# KiCad board sample013-sdi-mipi-video-converter.kicad_pcb
date: 2023-07-25; rev: 1.1.4
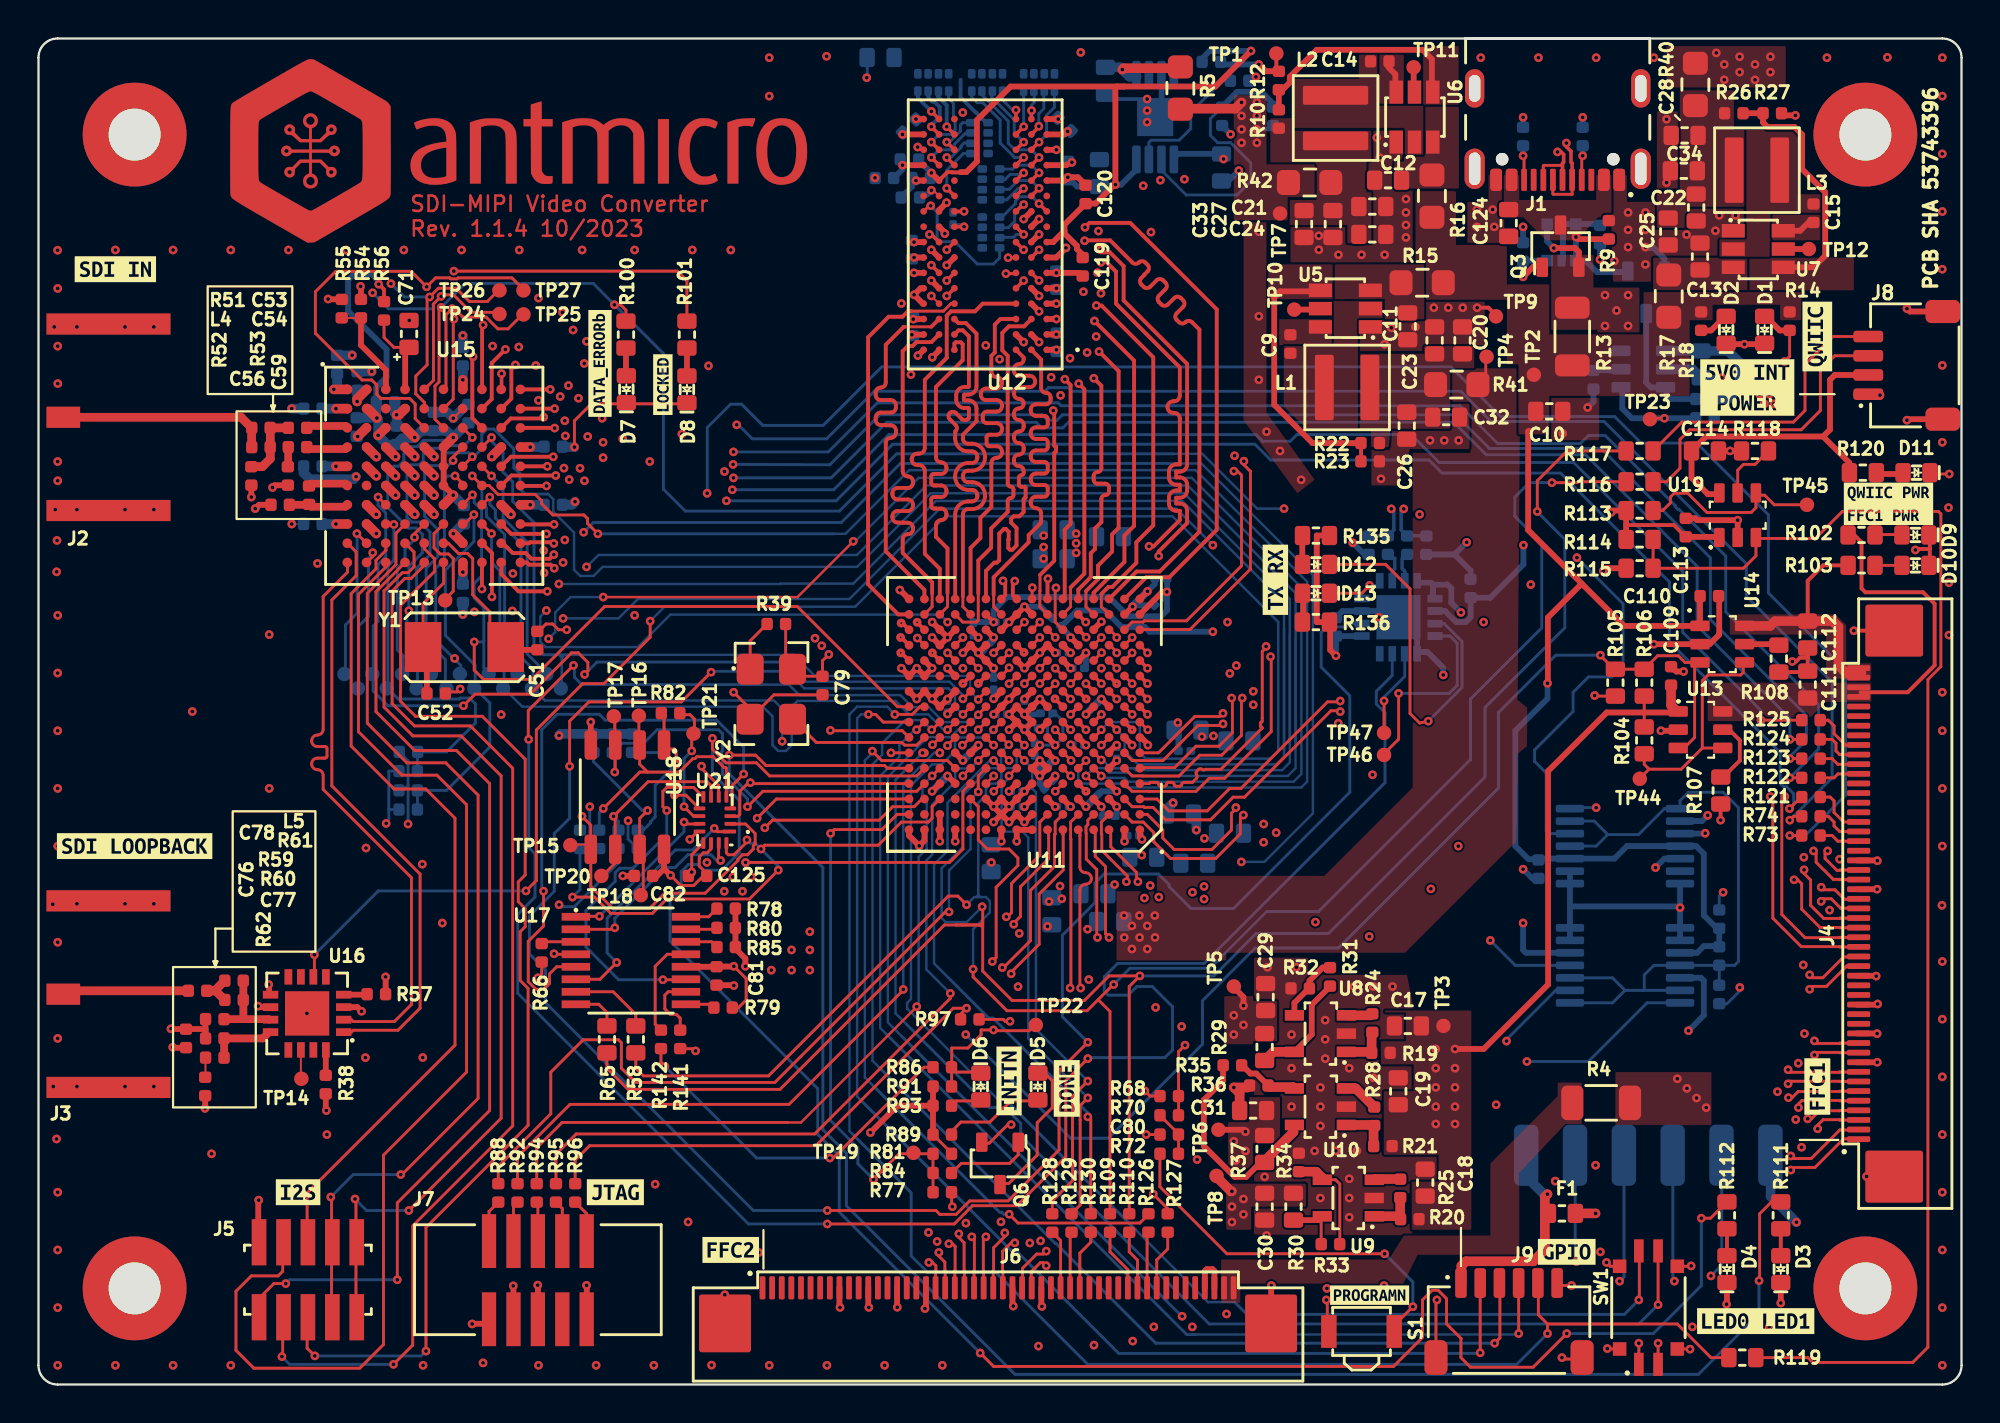
[diagram p0: board, top side]
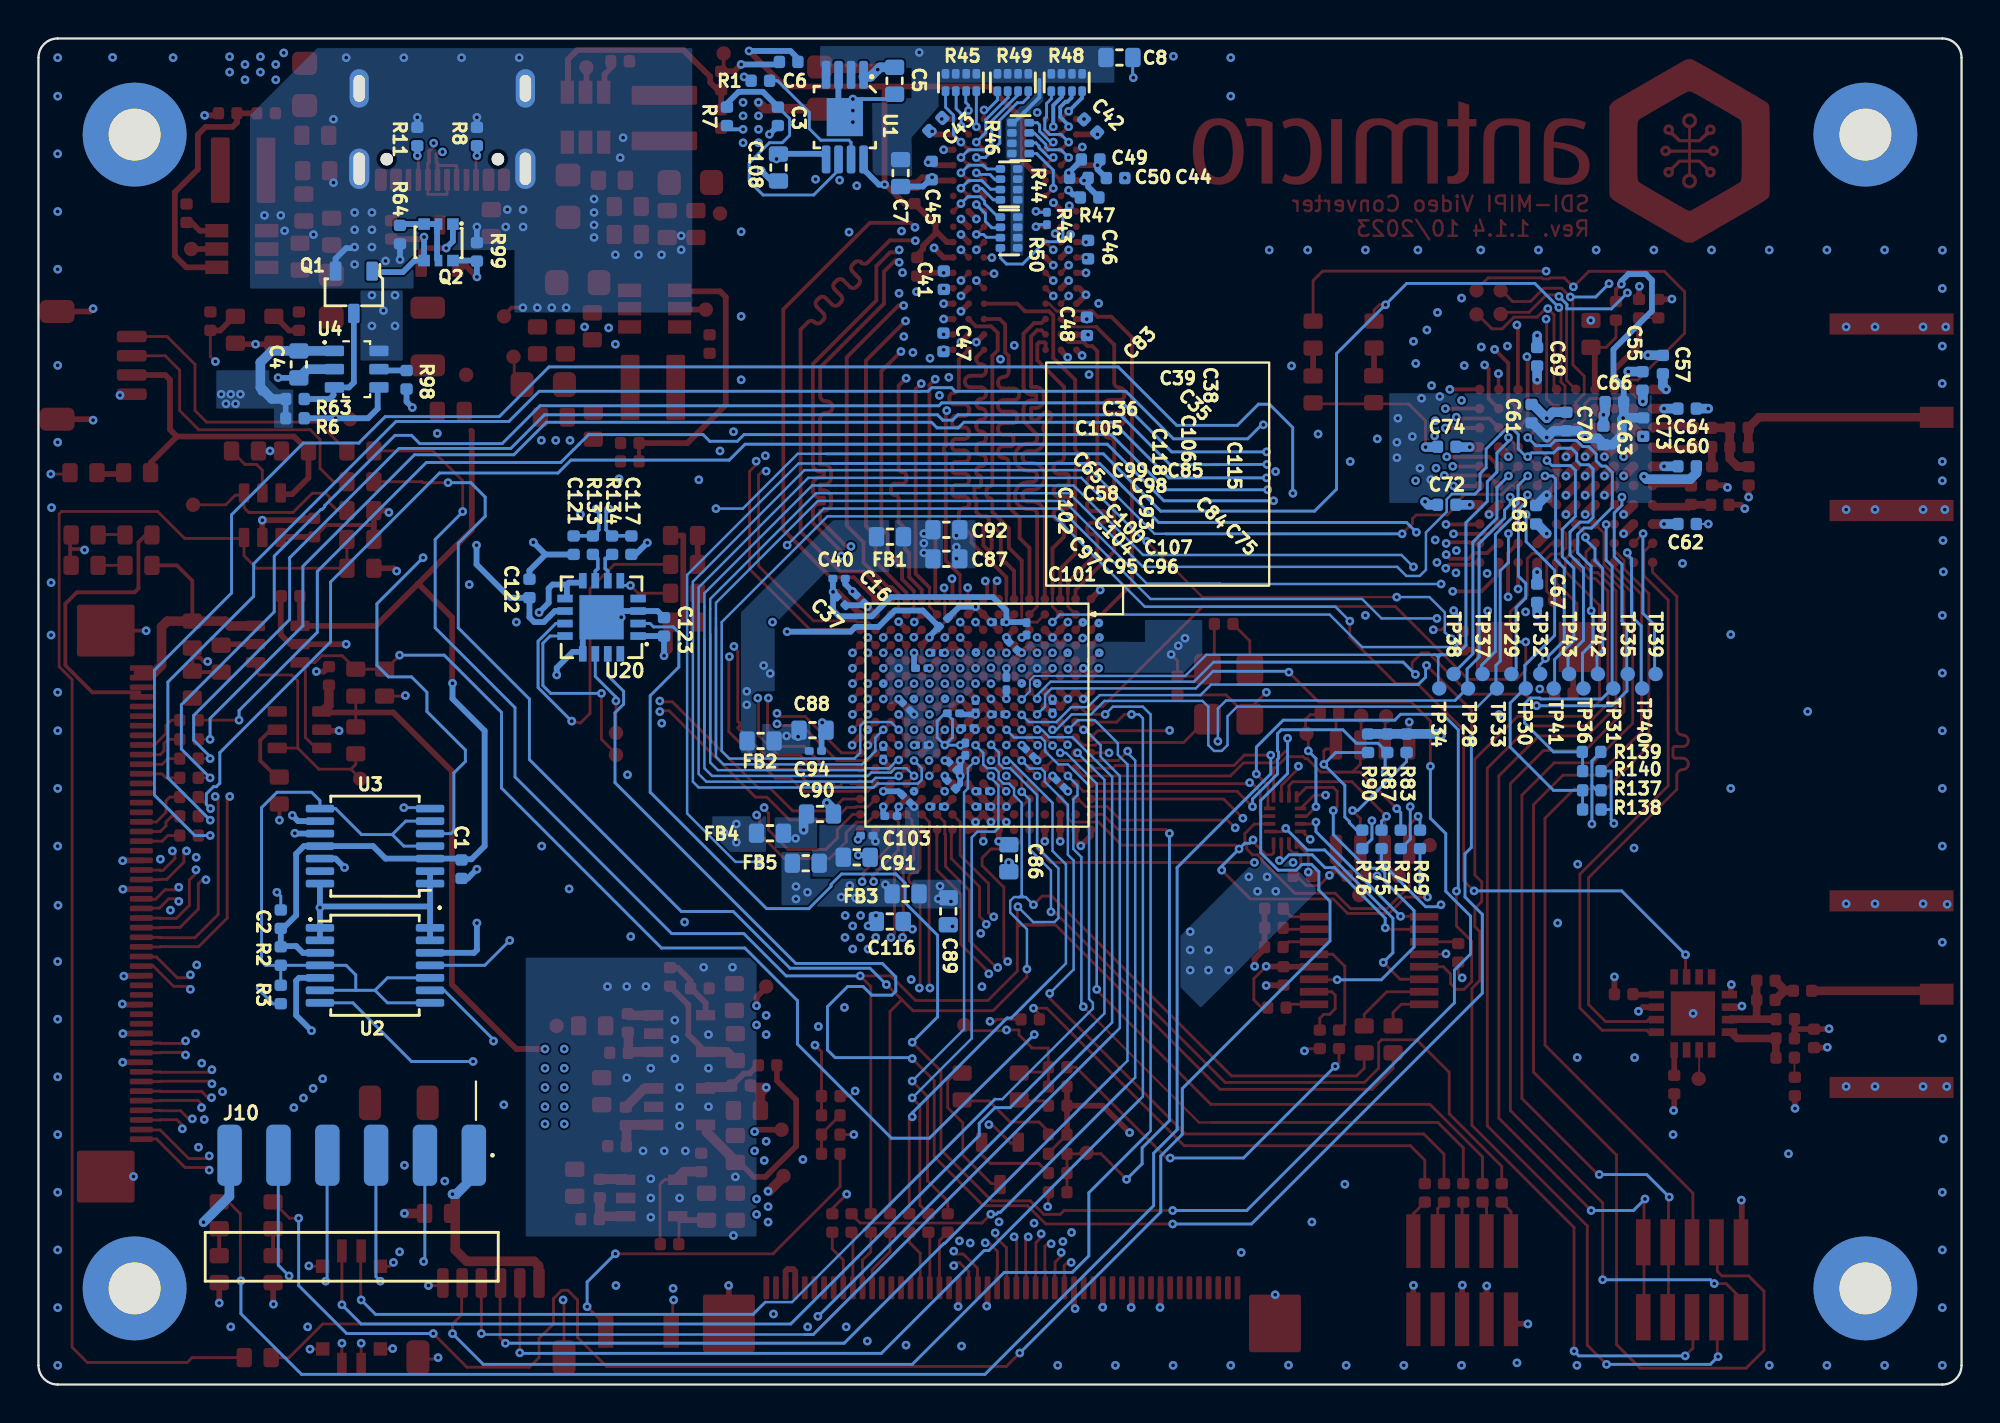
[diagram p1: board, bottom side, seen from below]

Outline 100 x 70 mm; copper layers: Top, In1.Cu, In2.Cu, In3.Cu, In4.Cu, In5.Cu, In6.Cu, Bottom. Coordinates in mm from the lower left corner of the outline.
Outline path: 0,69 0,1 arc(0.29,0.29) 1,0 99,0 arc(99.71,0.29) 100,1 100,69 arc(99.71,69.71) 99,70 1,70 arc(0.29,69.71) 0,69
Stack: Top 0.035mm / dielectric 0.12mm FR4 er 4.5 / In1.Cu 0.018mm / dielectric 0.2mm FR4 er 4.5 / In2.Cu 0.018mm / dielectric 0.24mm FR4 er 4.5 / In3.Cu 0.018mm / dielectric 0.2mm FR4 er 4.5 / In4.Cu 0.018mm / dielectric 0.24mm FR4 er 4.5 / In5.Cu 0.035mm / dielectric 0.2mm FR4 er 4.5 / In6.Cu 0.035mm / dielectric 0.12mm FR4 er 4.5 / Bottom 0.035mm

## Placement (name value [footprint] x y rotation side)
C1  C_100n_0402  [C_0402_1005Metric]  78 26.8 90 bottom
C2  C_100n_0402  [C_0402_1005Metric]  87.4 24.2 270 bottom
C3  C_100n_0402  [C_0402_1005Metric]  61.55 65.95 270 bottom
C4  C_1u_0603  [C_0603_1608Metric]  86.46 53.05 90 bottom
C5  C_22u_0603  [C_0603_1608Metric]  55.48 67.8 90 bottom
C6  C_100n_0402  [C_0402_1005Metric]  60.99 68.78 180 bottom
C7  C_22u_0603  [C_0603_1608Metric]  55.17 63 90 bottom
C8  C_22u_0603  [C_0603_1608Metric]  43.79 69.01 0 bottom
C9  C_100n_0402  [C_0402_1005Metric]  65.1 54.11 90 top
C10  C_10u_0603  [C_0603_1608Metric]  78.56 50.61 0 top
C11  C_10u_0603  [C_0603_1608Metric]  71.2 55.03 90 top
C12  C_10u_0603  [C_0603_1608Metric]  70.18 62.63 180 top
C13  C_10u_0603  [C_0603_1608Metric]  86.4 58.66 90 top
C14  C_100n_0402  [C_0402_1005Metric]  69.75 68.81 0 top
C15  C_100n_0402  [C_0402_1005Metric]  92.3 60.91 270 top
C16  C_100n_0201  [C_0201]  57.27 40.85 225 bottom
C17  C_1u_0603  [C_0603_1608Metric]  71.21 18.65 180 top
C18  C_1u_0603  [C_0603_1608Metric]  72.11 10.5 270 top
C19  C_1u_0603  [C_0603_1608Metric]  70.71 15.25 270 top
C20  C_22u_0603  [C_0603_1608Metric]  74.05 54.3 270 top
C21  C_22u_0603  [C_0603_1608Metric]  69.36 61.26 180 top
C22  C_22u_0603  [C_0603_1608Metric]  86.2 61.21 90 top
C23  C_22u_0603  [C_0603_1608Metric]  72.6 54.3 270 top
C24  C_22u_0603  [C_0603_1608Metric]  69.36 59.81 0 top
C25  C_22u_0603  [C_0603_1608Metric]  84.75 59.96 90 top
C26  C_22u_0603  [C_0603_1608Metric]  71.15 49.86 90 top
C27  C_22u_0603  [C_0603_1608Metric]  67.31 60.35 90 top
C28  C_22u_0603  [C_0603_1608Metric]  85.6 64.96 0 top
C29  C_1u_0603  [C_0603_1608Metric]  63.81 20.15 270 top
C30  C_1u_0603  [C_0603_1608Metric]  63.76 9.25 90 top
C31  C_10u_0603  [C_0603_1608Metric]  63.16 14.25 0 top
C32  C_22u_0603  [C_0603_1608Metric]  73.2 50.31 180 top
C33  C_22u_0603  [C_0603_1608Metric]  65.81 60.35 90 top
C34  C_22u_0603  [C_0603_1608Metric]  85.56 63.12 0 top
C35  C_100n_0201  [C_0201]  49.32 38.4 45 bottom
C36  C_100n_0201  [C_0201]  53.27 38.05 180 bottom
C37  C_100n_0201  [C_0201]  58.27 40.75 225 bottom
C38  C_100n_0201  [C_0201]  48.62 39.3 270 bottom
C39  C_100n_0201  [C_0201]  50.07 39.65 180 bottom
C40  C_100n_0201  [C_0201]  58.37 41.91 0 bottom
C41  C_100n_0402  [C_0402_1005Metric]  52.92 57.43 90 bottom
C42  C_100n_0402  [C_0402_1005Metric]  45.29 65.45 225 bottom
C43  C_100n_0402  [C_0402_1005Metric]  53.34 65.53 315 bottom
C44  C_100n_0402  [C_0402_1005Metric]  43.99 62.74 0 bottom
C45  C_100n_0402  [C_0402_1005Metric]  53.55 63.13 90 bottom
C46  C_100n_0402  [C_0402_1005Metric]  45.42 59.02 90 bottom
C47  C_100n_0402  [C_0402_1005Metric]  52.94 54.2 270 bottom
C48  C_100n_0402  [C_0402_1005Metric]  45.48 55.03 90 bottom
C49  C_100n_0402  [C_0402_1005Metric]  45.29 63.71 180 bottom
C50  C_100n_0402  [C_0402_1005Metric]  45.9 62.75 0 bottom
C51  C_33p_0402  [C_0402_1005Metric]  25.94 38.69 90 top
C52  C_33p_0402  [C_0402_1005Metric]  20.68 35.94 180 top
C53  C_1u_0402  [C_0402_1005Metric]  13.47 49.75 180 top
C54  C_1u_0402  [C_0402_1005Metric]  13.47 48.75 180 top
C55  C_47n_0402  [C_0402_1005Metric]  16.59 52.19 90 bottom
C56  C_470n_0402  [C_0402_1005Metric]  12.57 45.75 180 top
C57  C_1u_0402  [C_0402_1005Metric]  15.53 53.04 90 bottom
C58  C_100n_0201  [C_0201]  54.07 33.25 180 bottom
C59  C_470n_0402  [C_0402_1005Metric]  14.07 46.25 90 top
C60  C_100n_0402  [C_0402_1005Metric]  14.27 47.75 0 bottom
C61  C_100n_0402  [C_0402_1005Metric]  22.36 50.49 270 bottom
C62  C_100n_0402  [C_0402_1005Metric]  14.27 44.75 0 bottom
C63  C_100n_0402  [C_0402_1005Metric]  18.62 49.36 270 bottom
C64  C_100n_0402  [C_0402_1005Metric]  14.27 50.75 0 bottom
C65  C_100n_0201  [C_0201]  54.87 35.25 225 bottom
C66  C_100n_0402  [C_0402_1005Metric]  18.05 51.09 180 bottom
C67  C_100n_0402  [C_0402_1005Metric]  22.07 41.15 90 bottom
C68  C_100n_0402  [C_0402_1005Metric]  22.12 45.23 90 bottom
C69  C_100n_0402  [C_0402_1005Metric]  22.07 53.45 270 bottom
C70  C_100n_0402  [C_0402_1005Metric]  20.55 50.08 270 bottom
C71  C_33u_0603  [C_Pol_0603_1608Metric]  19.27 54.64 90 top
C72  C_100n_0402  [C_0402_1005Metric]  26.77 45.75 180 bottom
C73  C_100n_0402  [C_0402_1005Metric]  16.55 49.79 90 bottom
C74  C_100n_0402  [C_0402_1005Metric]  26.77 48.77 180 bottom
C75  C_100n_0201  [C_0201]  46.87 31.25 45 bottom
C76  C_10n_0402  [C_0402_1005Metric]  7.67 18 270 top
C77  C_4u7_0402  [C_0402_1005Metric]  9.17 17 180 top
C78  C_4u7_0402  [C_0402_1005Metric]  8.27 20.48 180 top
C79  C_100n_0402  [C_0402_1005Metric]  40.77 36.35 90 top
C80  C_100n_0402  [C_0402_1005Metric]  58.8 13 0 top
C81  C_100n_0402  [C_0402_1005Metric]  35.26 21.25 90 top
C82  C_100n_0402  [C_0402_1005Metric]  31.46 26.45 0 top
C83  C_100n_0201  [C_0201]  52.94 39.63 315 bottom
C84  C_100n_0201  [C_0201]  48.47 32.85 225 bottom
C85  C_100n_0201  [C_0201]  50.07 34.85 180 bottom
C86  C_10u_0603  [C_0603_1608Metric]  49.54 27.37 270 bottom
C87  C_10u_0603  [C_0603_1608Metric]  52.79 42.94 0 bottom
C88  C_10u_0603  [C_0603_1608Metric]  59.75 34.03 0 bottom
C89  C_10u_0603  [C_0603_1608Metric]  52.69 24.61 90 bottom
C90  C_10u_0603  [C_0603_1608Metric]  59.36 29.67 0 bottom
C91  C_10u_0603  [C_0603_1608Metric]  57.45 27.42 0 bottom
C92  C_10u_0603  [C_0603_1608Metric]  52.79 44.45 0 bottom
C93  C_100n_0201  [C_0201]  51.8 33.04 90 bottom
C94  C_100n_0201  [C_0201]  59.6 32.95 0 bottom
C95  C_100n_0201  [C_0201]  53.27 30.05 180 bottom
C96  C_100n_0201  [C_0201]  50.87 30.05 0 bottom
C97  C_100n_0201  [C_0201]  54.87 30.45 225 bottom
C98  C_100n_0201  [C_0201]  51.67 34.14 0 bottom
C99  C_100n_0201  [C_0201]  52.42 34.91 0 bottom
C100  C_100n_0201  [C_0201]  52.45 32.16 45 bottom
C101  C_100n_0201  [C_0201]  55.67 29.56 180 bottom
C102  C_100n_0201  [C_0201]  56.07 32.85 270 bottom
C103  C_100n_0201  [C_0201]  56.93 28.54 180 bottom
C104  C_100n_0201  [C_0201]  52.54 31.21 45 bottom
C105  C_100n_0201  [C_0201]  54.07 37.25 180 bottom
C106  C_100n_0201  [C_0201]  49.67 36.45 270 bottom
C107  C_100n_0201  [C_0201]  50.87 30.85 180 bottom
C108  C_10u_0603  [C_0603_1608Metric]  61.52 63.29 90 bottom
C109  C_100n_0402  [C_0402_1005Metric]  84.9 36.85 270 top
C110  C_100n_0402  [C_0402_1005Metric]  86.88 41 180 top
C111  C_1u_0603  [C_0603_1608Metric]  92 36.4 270 top
C112  C_1u_0603  [C_0603_1608Metric]  92 39 90 top
C113  C_100n_0402  [C_0402_1005Metric]  85.66 44.57 270 top
C114  C_1u_0603  [C_0603_1608Metric]  86.66 48.55 180 top
C115  C_100n_0201  [C_0201]  47.27 35.25 270 bottom
C116  C_10u_0603  [C_0603_1608Metric]  55.73 24.08 0 bottom
C117  C_47p_0402  [C_0402_1005Metric]  69.17 43.65 90 bottom
C118  C_100n_0201  [C_0201]  51.27 35.25 90 bottom
C119  C_100n_0402  [C_0402_1005Metric]  54.3 58.12 270 top
C120  C_100n_0402  [C_0402_1005Metric]  54.45 61.89 270 top
C121  C_47p_0402  [C_0402_1005Metric]  72.17 43.65 90 bottom
C122  C_100n_0402  [C_0402_1005Metric]  74.47 41.4 270 bottom
C123  C_100n_0402  [C_0402_1005Metric]  67.47 39.4 270 bottom
C124  C_1u_0603  [C_0603_1608Metric]  76.45 60.4 90 top
C125  C_100n_0402  [C_0402_1005Metric]  34.27 26.45 180 top
D1  LED_G_0603_LTST-C190GKT  [LED_0603_1608Metric_G]  89.76 54.85 90 top
D2  LED_G_0603_LTST-C190GKT  [LED_0603_1608Metric_G]  87.76 54.85 90 top
D3  LED_G_0603_LTST-C190GKT  [LED_0603_1608Metric_G]  90.6 6 90 top
D4  LED_G_0603_LTST-C190GKT  [LED_0603_1608Metric_G]  87.8 6 90 top
D5  LED_G_0603_LTST-C190GKT  [LED_0603_1608Metric_G]  51.97 15.5 270 top
D6  LED_R_0603_LTST-C190KRKT  [LED_0603_1608Metric_R]  49 15.5 270 top
D7  LED_G_0603_LTST-C190GKT  [LED_0603_1608Metric_G]  30.57 51.76 90 top
D8  LED_G_0603_LTST-C190GKT  [LED_0603_1608Metric_G]  33.72 51.75 90 top
D9  LED_G_0603_LTST-C190GKT  [LED_0603_1608Metric_G]  97.6 44.18 180 top
D10  LED_G_0603_LTST-C190GKT  [LED_0603_1608Metric_G]  97.6 42.6 180 top
D11  LED_G_0603_LTST-C190GKT  [LED_0603_1608Metric_G]  97.66 47.42 180 top
D12  LED_G_0603_LTST-C190GKT  [LED_0603_1608Metric_G]  66.43 42.65 180 top
D13  LED_G_0603_LTST-C190GKT  [LED_0603_1608Metric_G]  66.43 41.15 180 top
F1  F_1.25A_0603  [F_0603_1608Metric]  79.22 8.9 180 top
FB1  FB_120Z_2A_0603  [FB_0603_1608Metric]  55.72 44.09 0 bottom
FB2  FB_120Z_2A_0603  [FB_0603_1608Metric]  62.45 33.47 0 bottom
FB3  FB_120Z_2A_0603  [FB_0603_1608Metric]  54.91 25.52 0 bottom
FB4  FB_120Z_2A_0603  [FB_0603_1608Metric]  61.96 28.67 0 bottom
FB5  FB_120Z_2A_0603  [FB_0603_1608Metric]  60.1 27.11 0 bottom
G***  LOGO  [antmicro-logo_scaled_30mm]  25.87 64.01 0 top
J1  USB-C_USB4105-GF-A  [USB-C_Receptacle_GCT_USB4105-GF-A]  79 66.15 180 top
J2  -  [Conn_BNC_031-70526-21]  -6.58 50.3 270 top
J3  -  [Conn_BNC_031-70526-21]  -6.58 20.3 270 top
J4  Conn_FFC_WE_68715014522_ONE-SIDE  [Conn_FFC_WE_68715014x22]  96.8 25.01 90 top
J5  -  [PinHeader_2x5_P1.27mm_SMD]  13.97 5.45 180 top
J6  Conn_FFC_WE_68715014522_ONE-SIDE  [Conn_FFC_WE_68715014x22]  49.9 2.88 0 top
J7  PinHeader_2x5_P2mm_Drill0.71mm_Shrouded  [PinHeader_2x5_P1.27mm_SMD_Shrouded]  25.97 5.45 0 top
J8  SM04B-SRSS-TB-LF-SN  [Conn_JST_SH_1x4_SM04B-SRSS-TB-LF-SN]  97.27 53 90 top
J9  JST_GH_1x6_SM06B-SRSS-TB-LF-SN  [Conn_JST_SH_1x6_SM06B-SRSS-TB-LF-SN]  76.47 3.18 0 top
J10  -  [PinHeader_1x6_P2.54mm_SMD_Horizontal]  83.71 6.01 0 bottom  (not fitted)
kibuzzard-62FF6425  G***  [kibuzzard-62FF6425]  88.86 51.85 0 top
kibuzzard-630E0ECD  G***  [kibuzzard-630E0ECD]  79.47 6.9 0 top
kibuzzard-6305DB1B  G***  [kibuzzard-6305DB1B]  50.47 15.79 90 top
kibuzzard-6305DB04  G***  [kibuzzard-6305DB04]  53.47 15.4 90 top
kibuzzard-6305DBF3  G***  [kibuzzard-6305DBF3]  96.2 45.8 0 top
kibuzzard-6305DC2C  G***  [kibuzzard-6305DC2C]  89.3 3.3 0 top
kibuzzard-6305DC62  G***  [kibuzzard-6305DC62]  29.2 53.1 90 top
kibuzzard-6305DC88  G***  [kibuzzard-6305DC88]  32.47 52 90 top
kibuzzard-6305DCDC  G***  [kibuzzard-6305DCDC]  69.22 4.65 0 top
kibuzzard-6305DCEF  G***  [kibuzzard-6305DCEF]  30 10 0 top
kibuzzard-6305DD0C  G***  [kibuzzard-6305DD0C]  13.5 10 0 top
kibuzzard-6305DD1D  G***  [kibuzzard-6305DD1D]  92.5 15.5 90 top
kibuzzard-6305DD17  G***  [kibuzzard-6305DD17]  36 7 0 top
kibuzzard-6305DD33  G***  [kibuzzard-6305DD33]  92.5 54.5 90 top
kibuzzard-6305DDB4  G***  [kibuzzard-6305DDB4]  4 58 0 top
kibuzzard-6305DDCF  G***  [kibuzzard-6305DDCF]  5 28 0 top
kibuzzard-63109196  G***  [kibuzzard-63109196]  64.32 41.85 90 top
L1  L_3u3_5.9A_XEL4030  [L_Coilcraft-XEL4030]  68.05 51.85 0 top
L2  L_3u3_5.9A_XEL4030  [L_Coilcraft-XEL4030]  67.45 65.86 270 top
L3  L_3u3_5.9A_XEL4030  [L_Coilcraft-XEL4030]  89.36 63.15 180 top
L4  L_6n2_0.7A_0402  [L_0402_1005Metric]  11.57 48.75 180 top
L5  L_6n2_0.7A_0402  [L_0402_1005Metric]  10.17 21 0 top
MP1  -  [MP_Pad5.4mm_Drill2.7mm]  5 65 0 top
MP2  -  [MP_Pad5.4mm_Drill2.7mm]  5 5 0 top
MP3  -  [MP_Pad5.4mm_Drill2.7mm]  95 65 0 top
MP4  -  [MP_Pad5.4mm_Drill2.7mm]  95 5 0 top
Q1  2N7002_SOT-23-3  [SOT-23-3]  83.6 56.8 270 bottom
Q2  BCM857BS-7-F  [SOT-363]  79.2 59.4 270 bottom
Q3  AO3401A  [SOT-23-3]  79.15 59.2 90 top
Q6  2N7002_SOT-23-3  [SOT-23-3]  50 11.5 270 top
R1  R_100k_0402  [R_0402_1005Metric]  62.46 67.8 0 bottom
R2  R_10k_0402  [R_0402_1005Metric]  87.4 22.29 90 bottom
R3  R_1k_0402  [R_0402_1005Metric]  87.4 20.29 90 bottom
R4  R_0R_1206  [R_1206_3216Metric]  81.26 14.65 0 top
R5  R_0R_0805  [R_0805_2012Metric]  59.38 67.42 90 top
R6  R_10k_0402  [R_0402_1005Metric]  86.66 50.25 0 bottom
R7  R_22R_0402  [R_0402_1005Metric]  64.2 65.95 270 bottom
R8  R_5k1_0402  [R_0402_1005Metric]  77.2 64.9 270 bottom
R9  R_10k_0402  [R_0402_1005Metric]  81.66 60.05 270 top
R10  R_1k3_0402  [R_0402_1005Metric]  64.5 65.81 270 top
R11  R_5k1_0402  [R_0402_1005Metric]  80.3 64.9 270 bottom
R12  R_1k5_0402  [R_0402_1005Metric]  64.5 67.81 90 top
R13  R_0R_1206  [R_1206_3216Metric]  79.76 54.5 270 top
R14  R_470R_0402  [R_0402_1005Metric]  91.06 55.3 90 top
R15  R_0R_0805  [R_0805_2012Metric]  71.95 57.3 180 top
R16  R_0R_0805  [R_0805_2012Metric]  72.46 61.8 270 top
R17  R_0R_0805  [R_0805_2012Metric]  84.78 56.6 90 top
R18  R_470R_0402  [R_0402_1005Metric]  86.46 55.3 90 top
R19  R_0R_0402  [R_0402_1005Metric]  69.81 17.25 180 top
R20  R_0R_0402  [R_0402_1005Metric]  71.31 8.6 180 top
R21  R_0R_0402  [R_0402_1005Metric]  69.91 12.4 180 top
R22  R_3k01_0402  [R_0402_1005Metric]  69.25 48.96 0 top
R23  R_10k_0402  [R_0402_1005Metric]  69.25 48.01 180 top
R24  R_0R_0402  [R_0402_1005Metric]  69.36 18.8 90 top
R25  R_0R_0402  [R_0402_1005Metric]  70.81 10.2 90 top
R26  R_33k_0402  [R_0402_1005Metric]  88.16 66.11 180 top
R27  R_10k_0402  [R_0402_1005Metric]  90.16 66.11 180 top
R28  R_0R_0402  [R_0402_1005Metric]  69.46 13.95 90 top
R29  R_0R_0603  [R_0603_1608Metric]  63.76 17.55 90 top
R30  R_0R_0603  [R_0603_1608Metric]  65.26 9.25 90 top
R31  R_3k01_0402  [R_0402_1005Metric]  67.16 21.2 270 top
R32  R_10k_0402  [R_0402_1005Metric]  65.61 20.6 0 top
R33  R_12k_0402  [R_0402_1005Metric]  67.19 7.3 180 top
R34  R_24k_0402  [R_0402_1005Metric]  65.54 11.55 270 top
R35  R_18k7_0402  [R_0402_1005Metric]  62.09 16.6 180 top
R36  R_15k_0402  [R_0402_1005Metric]  63.46 15.55 0 top
R37  R_0R_0603  [R_0603_1608Metric]  63.76 12.25 90 top
R38  R_0R_0402  [R_0402_1005Metric]  14.94 15.6 270 top
R39  R_0R_0402  [R_0402_1005Metric]  38.37 39.55 0 top
R40  R_0R_0805  [R_0805_2012Metric]  86.16 67.61 90 top
R41  R_0R_0805  [R_0805_2012Metric]  73.75 52 0 top
R42  R_0R_0805  [R_0805_2012Metric]  66.1 62.51 180 top
R43  R_100R_0201  [R_0201]  47.56 60.64 270 bottom
R44  R_4x51R_0402_array  [R_Array_4x0402]  49.53 62.41 270 bottom
R45  R_4x51R_0402_array  [R_Array_4x0402]  52.03 67.71 180 bottom
R46  R_4x51R_0402_array  [R_Array_4x0402]  48.93 64.82 90 bottom
R47  R_240R_0402  [R_0402_1005Metric]  45.34 61.73 0 bottom
R48  R_4x51R_0402_array  [R_Array_4x0402]  46.53 67.71 180 bottom
R49  R_4x51R_0402_array  [R_Array_4x0402]  49.33 67.71 180 bottom
R50  R_4x51R_0402_array  [R_Array_4x0402]  49.53 59.91 270 bottom
R51  R_75R_0402  [R_0402_1005Metric]  11.57 49.75 0 top
R52  R_75R_0402  [R_0402_1005Metric]  11.07 47.25 90 top
R53  R_37R4_0402  [R_0402_1005Metric]  12.97 47.25 270 top
R54  R_100k_0402  [R_0402_1005Metric]  16.77 55.95 270 top
R55  R_100k_0402  [R_0402_1005Metric]  15.77 55.95 270 top
R56  R_105R_0402  [R_0402_1005Metric]  17.97 55.84 270 top
R57  R_750R_0402  [R_0402_1005Metric]  17.57 20.3 0 top
R58  R_0R_0603  [R_0603_1608Metric]  31.06 17.95 270 top
R59  R_75R_0402  [R_0402_1005Metric]  9.17 19 0 top
R60  R_75R_0402  [R_0402_1005Metric]  9.17 18 180 top
R61  R_75R_0402  [R_0402_1005Metric]  10.17 20 180 top
R62  R_75R_0402  [R_0402_1005Metric]  8.67 15.5 270 top
R63  R_10k_0402  [R_0402_1005Metric]  86.66 51.25 0 bottom
R64  R_10k_0402  [R_0402_1005Metric]  81.2 59.8 90 bottom
R65  R_0R_0603  [R_0603_1608Metric]  29.56 17.95 270 top
R66  R_0R_0402  [R_0402_1005Metric]  26.17 22.45 270 top
R68  R_10k_0402  [R_0402_1005Metric]  58.8 15 180 top
R69  R_0R_0402  [R_0402_1005Metric]  28.16 28.35 270 bottom
R70  R_100R_0402  [R_0402_1005Metric]  58.8 14 180 top
R71  R_0R_0402  [R_0402_1005Metric]  29.16 28.35 270 bottom
R72  R_100R_0402  [R_0402_1005Metric]  58.8 12 180 top
R73  R_0R_0402  [R_0402_1005Metric]  92.17 28.55 0 top
R74  R_0R_0402  [R_0402_1005Metric]  92.17 29.55 0 top
R75  R_0R_0402  [R_0402_1005Metric]  30.16 28.35 270 bottom
R76  R_0R_0402  [R_0402_1005Metric]  31.16 28.35 90 bottom
R77  R_0R_0402  [R_0402_1005Metric]  47 10 0 top
R78  R_0R_0402  [R_0402_1005Metric]  35.76 24.75 0 top
R79  R_1k_0402  [R_0402_1005Metric]  35.6 19.6 0 top
R80  R_0R_0402  [R_0402_1005Metric]  35.76 23.75 0 top
R81  R_10k_0402  [R_0402_1005Metric]  47 12 0 top
R82  R_0R_0402  [R_0402_1005Metric]  32.87 34.91 180 top
R83  R_4k7_0402  [R_0402_1005Metric]  29.86 33.35 270 bottom
R84  R_100R_0402  [R_0402_1005Metric]  47 11 0 top
R85  R_0R_0402  [R_0402_1005Metric]  35.76 22.75 0 top
R86  R_0R_0402  [R_0402_1005Metric]  47 16.5 180 top
R87  R_4k7_0402  [R_0402_1005Metric]  28.86 33.35 90 bottom
R88  R_0R_0402  [R_0402_1005Metric]  23.91 9.97 90 top
R89  R_2k2_0402  [R_0402_1005Metric]  47 13 180 top
R90  R_4k7_0402  [R_0402_1005Metric]  30.86 33.35 90 bottom
R91  R_10k_0402  [R_0402_1005Metric]  47 15.5 180 top
R92  R_0R_0402  [R_0402_1005Metric]  24.91 9.97 90 top
R93  R_2k2_0402  [R_0402_1005Metric]  47 14.5 180 top
R94  R_0R_0402  [R_0402_1005Metric]  25.91 9.97 90 top
R95  R_0R_0402  [R_0402_1005Metric]  26.91 9.97 90 top
R96  R_0R_0402  [R_0402_1005Metric]  27.91 9.97 90 top
R97  R_10k_0402  [R_0402_1005Metric]  48.43 18.99 180 top
R98  R_10k_0402  [R_0402_1005Metric]  80.86 52.25 90 bottom
R99  R_10k_0402  [R_0402_1005Metric]  77.2 58.9 270 bottom
R100  R_200R_0603  [R_0603_1608Metric]  30.55 54.6 90 top
R101  R_200R_0603  [R_0603_1608Metric]  33.72 54.6 90 top
R102  R_200R_0603  [R_0603_1608Metric]  94.8 44.18 180 top
R103  R_470R_0603  [R_0603_1608Metric]  94.8 42.6 180 top
R104  R_10k_0603  [R_0603_1608Metric]  83.5 33.5 270 top
R105  R_10k_0603  [R_0603_1608Metric]  83.5 36.5 90 top
R106  R_10k_0603  [R_0603_1608Metric]  82 36.5 270 top  (not fitted)
R107  R_15k_0603  [R_0603_1608Metric]  87.48 30.89 90 top
R108  R_15k_0603  [R_0603_1608Metric]  90.5 37.75 90 top
R109  R_0R_0402  [R_0402_1005Metric]  55.72 8.4 270 top
R110  R_0R_0402  [R_0402_1005Metric]  56.72 8.4 90 top
R111  R_200R_0603  [R_0603_1608Metric]  90.6 8.8 90 top
R112  R_200R_0603  [R_0603_1608Metric]  87.8 8.8 90 top
R113  R_10k_0603  [R_0603_1608Metric]  83.26 45.45 0 top
R114  R_10k_0603  [R_0603_1608Metric]  83.26 43.95 0 top
R115  R_10k_0603  [R_0603_1608Metric]  83.26 42.45 180 top  (not fitted)
R116  R_0R_0603  [R_0603_1608Metric]  83.26 46.95 0 top
R117  R_0R_0603  [R_0603_1608Metric]  83.26 48.55 0 top
R118  R_15k_0603  [R_0603_1608Metric]  89.26 48.55 0 top
R119  R_0R_0603  [R_0603_1608Metric]  88.6 1.4 180 top
R120  R_200R_0603  [R_0603_1608Metric]  94.87 47.42 180 top
R121  R_0R_0402  [R_0402_1005Metric]  92.17 30.55 0 top
R122  R_0R_0402  [R_0402_1005Metric]  92.17 31.55 0 top
R123  R_0R_0402  [R_0402_1005Metric]  92.17 32.55 180 top
R124  R_0R_0402  [R_0402_1005Metric]  92.17 33.55 0 top
R125  R_0R_0402  [R_0402_1005Metric]  92.17 34.55 180 top
R126  R_0R_0402  [R_0402_1005Metric]  57.72 8.4 270 top
R127  R_0R_0402  [R_0402_1005Metric]  58.72 8.4 90 top
R128  R_0R_0402  [R_0402_1005Metric]  52.72 8.4 270 top
R129  R_0R_0402  [R_0402_1005Metric]  53.72 8.4 270 top
R130  R_0R_0402  [R_0402_1005Metric]  54.72 8.4 270 top
R133  R_27R_0402  [R_0402_1005Metric]  71.17 43.65 270 bottom
R134  R_27R_0402  [R_0402_1005Metric]  70.17 43.65 270 bottom
R135  R_200R_0603  [R_0603_1608Metric]  66.43 44.15 0 top
R136  R_200R_0603  [R_0603_1608Metric]  66.43 39.65 0 top